# KiCad board netrazr_rev2.kicad_pcb (continued)
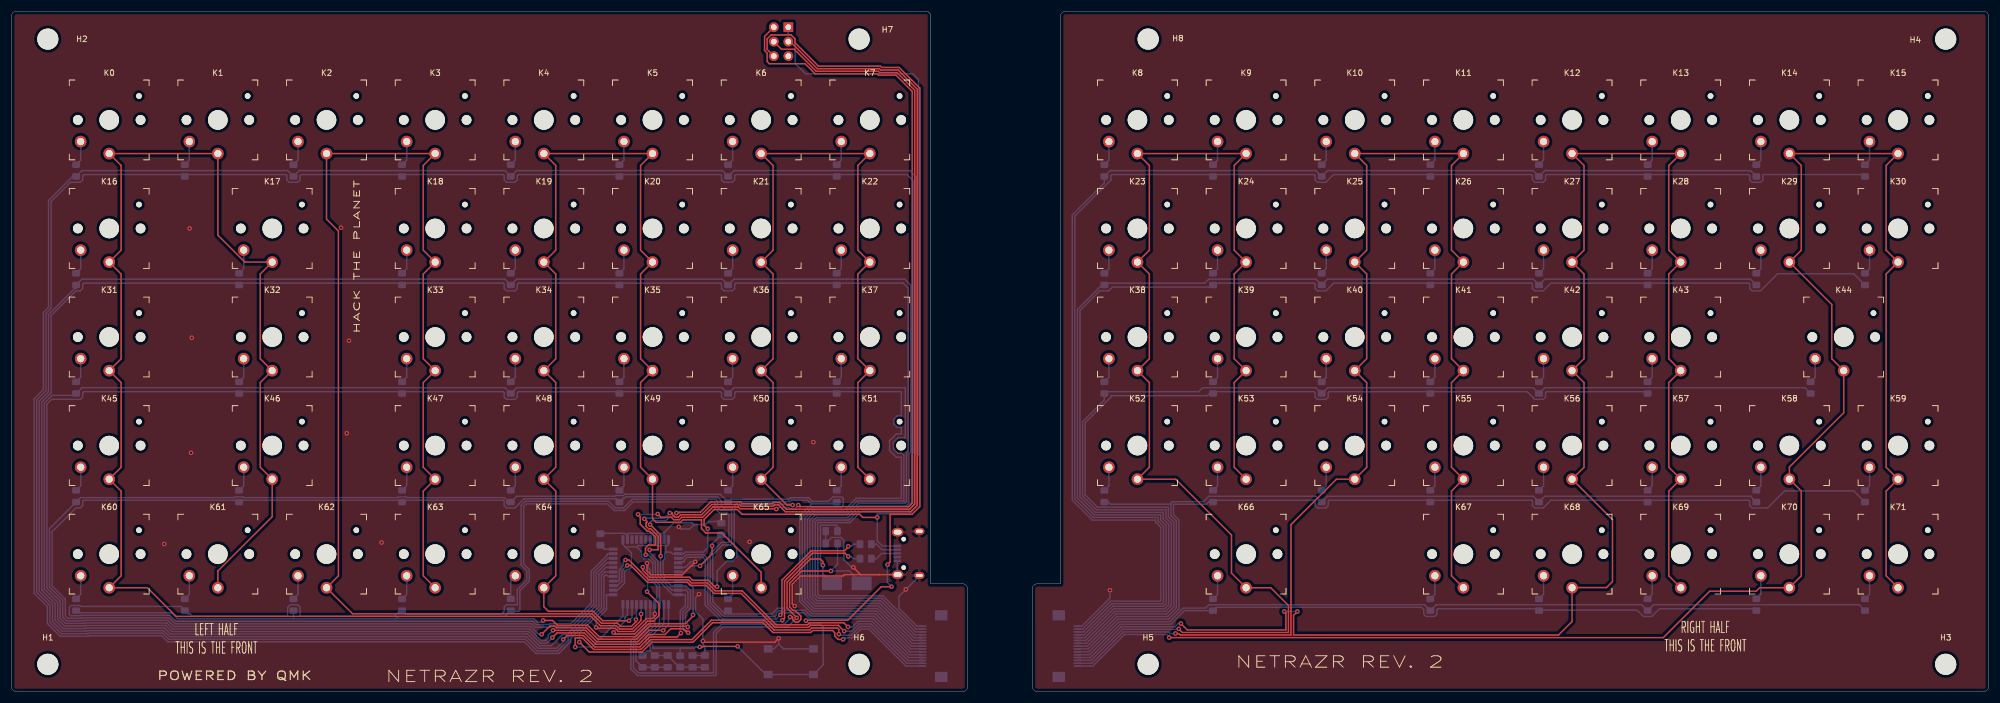
[diagram p0: board, top side]
## Routing (per net, layer and track width the routed paths; a pad name or vN(x,y) marks a point on that pad's centre or on a via; arc(x,y) is an arc through that point) (continued)
/Col_1: length 240.6
  Top w0.25: K63.1 72.21,20.32 72.21,35.19 K47.1 72.21,39.37 72.21,54.24 K33.1 72.21,58.42 72.21,73.29 K18.1 72.21,77.47 72.21,92.34 K3.1 K2.1 55.25,82.92 57.33,80.83 57.33,20.32 K62.1 59.82,13.66 101.8,13.66 103.45,12 106.24,12 106.79,11.45 108.69,11.45 109.49,12.25 v1(109.49,12.64)
  Bottom w0.25: U1.19 109.61,12.75 v1(109.49,12.64)
/Col_2: length 220.7
  Top w0.25: v1(108.26,12.43) 106.45,12.43 106.43,12.45 103.64,12.45 101.98,14.11 94.14,14.11 93.35,14.9 K64.1 95.43,20.32 95.43,35.19 K48.1 95.43,39.37 95.43,54.24 K34.1 95.43,58.42 95.43,73.29 K19.1 95.43,77.47 95.43,92.34 K4.1 K5.1 110.31,92.34 110.31,77.47 K20.1 110.31,73.29 110.31,58.42 K35.1 110.31,54.24 110.31,39.37 K49.1 112.39,30.35 113.03,29.72 117.28,29.72 117.7,30.14 120.99,30.14 120.99,28.61 121.75,27.85 124.54,27.85 131.44,20.95 K65.1
  Bottom w0.25: U1.20 108.8,12.98 v1(108.26,12.43)
/Col_3: length 217.5
  Top w0.25: v1(105.57,10.38) 105.85,10.1 109.25,10.1 111.53,12.38 112.56,12.38 113.53,13.35 113.53,15.45 v1(111.44,17.53) ; v1(136.95,32.74) 135.98,32.74 K50.1 133.53,39.37 133.53,54.24 K36.1 133.53,58.42 133.53,73.29 K21.1 133.53,77.47 133.53,92.34 K6.1 K7.1 148.41,92.34 148.41,77.47 K22.1 148.41,73.29 148.41,58.42 K37.1 148.41,54.24 148.41,39.37 K51.1 ; v1(123.73,18.4) 123.33,18.4 122.2,19.53 119.41,19.53 118.88,20.07 111.92,20.07 110.71,21.29 v1(110.71,21.85)
  Bottom w0.25: v1(105.57,10.38) 107.54,12.35 107.54,12.97 108.01,13.44 U1.21 ; v1(110.71,21.85) 111.54,21.01 111.54,17.64 v1(111.44,17.53) ; v1(123.73,18.4) 123.73,21.19 125.44,22.9 126.45,22.9 127.17,23.62 127.17,25.08 126.7,25.54 126.7,31.92 127.67,32.89 136.81,32.89 v1(136.95,32.74)
/Col_4: length 292.8
  Top w0.25: v1(107.97,22.15) 108.57,22.15 111.55,19.17 118.5,19.17 119.04,18.63 121.83,18.63 123.23,17.23 127.93,17.23 133.88,11.28 139.77,11.28 140.12,11.62 144.99,11.62 v1(146,10.61) ; v1(204.66,11.02) 205.3,10.38 223.89,10.38 223.89,15.12 220.78,18.23 K66.1 213.9,20.79 213.9,27.49 204.11,37.28 K52.1 199.5,39.37 199.5,54.24 K38.1 199.5,58.42 199.5,73.29 K23.1 199.5,77.47 199.5,92.34 K8.1 K9.1 214.38,92.34 214.38,77.47 K24.1 214.38,73.29 214.38,58.42 K39.1 214.38,54.24 214.38,39.37 K53.1
  Bottom w0.25: FFC2.3 189.32,5.48 192.9,9.06 192.9,9.08 194.75,10.93 204.57,10.93 v1(204.66,11.02) ; 159.93,5.46 157.14,5.46 150.72,11.88 148.58,11.88 147.31,10.61 v1(146,10.61) ; U1.25 106.24,18.6 107.03,19.39 107.03,21.21 v1(107.97,22.15)
/Col_5: length 321.6
  Top w0.25: v1(98.84,7.84) 98.84,9.4 100.08,9.4 102.09,7.4 110.37,7.4 112.09,9.13 119.32,9.13 122.73,12.54 131.98,12.54 133.69,10.83 139.96,10.83 140.31,11.18 144.8,11.18 145.06,10.91 v1(145.06,10.08) ; v1(204.09,10.2) 204.19,10.1 204.77,10.1 204.94,9.93 224.34,9.93 224.34,29.31 232.31,37.28 K54.1 237.6,39.37 237.6,54.24 K40.1 237.6,58.42 237.6,73.29 K25.1 237.6,77.47 237.6,92.34 K10.1 K11.1 252.48,92.34 252.48,77.47 K26.1 252.48,73.29 252.48,58.42 K41.1 252.48,54.24 252.48,39.37 K55.1 252.48,35.19 252.48,20.32 K67.1
  Bottom w0.25: v1(98.84,7.84) 98.84,7.84 101.77,7.84 107.2,13.28 U1.22 ; FFC1.14 156.98,4.98 150.53,11.43 148.77,11.43 147.23,9.88 145.25,9.88 v1(145.06,10.08) ; FFC2.2 189.45,4.98 193.35,8.88 193.35,8.89 194.94,10.47 202.81,10.47 203.09,10.2 v1(204.09,10.2)
/Col_6: length 363.7
  Top w0.25: v1(223.16,14.06) 223.44,13.79 223.44,10.83 206.15,10.83 v1(205.03,11.95) ; v1(225.45,14.06) 224.79,13.4 224.79,9.93 271.23,9.93 273.62,12.31 K68.1 273.64,18.25 279.64,18.25 280.7,19.31 280.7,30.19 K56.1 275.7,39.37 275.7,54.24 K42.1 275.7,58.42 275.7,73.29 K27.1 275.7,77.47 275.7,92.34 K12.1 K13.1 290.58,92.34 290.58,77.47 K28.1 290.58,73.29 290.58,58.42 K43.1 290.58,54.24 290.58,39.37 K57.1 290.58,35.19 290.58,20.32 K69.1 ; v1(146.67,11.35) 145.95,12.07 139.94,12.07 139.59,11.73 134.07,11.73 128.11,17.68 123.41,17.68 122.01,19.08 119.23,19.08 118.69,19.62 111.74,19.62 108.26,23.1 v1(107.67,23.1)
  Bottom w0.25: FFC2.4 189.18,5.98 192.45,9.25 192.45,9.26 194.56,11.38 203.99,11.38 204.57,11.95 v1(205.03,11.95) ; FFC1.12 157.25,5.98 150.9,12.33 148.4,12.33 147.42,11.35 v1(146.67,11.35) ; v1(107.67,23.1) 107.24,22.68 107.24,22.06 106.58,21.4 106.58,19.58 106.4,19.4 U1.26 ; v1(223.16,14.06) v1(225.45,14.06)
/Col_7: length 402.5
  Top w0.25: v1(145.82,9.16) 144.95,9.16 144.34,9.78 144.34,10.34 143.95,10.72 140.5,10.72 140.15,10.38 133.51,10.38 131.79,12.09 122.92,12.09 119.5,8.68 112.28,8.68 110.55,6.95 101.29,6.95 v1(99.56,8.68) ; K71.1 328.68,20.32 328.68,35.19 K59.1 328.68,39.37 328.68,73.29 K30.1 328.68,77.47 328.68,92.34 K15.1 K14.1 313.8,92.34 313.8,77.47 K29.1 319.15,67.94 319.15,58.42 K44.1 321.24,48.94 311.71,39.41 K58.1 313.8,35.19 313.8,20.32 K70.1 306.51,18.23 305.9,17.62 297.74,17.62 289.6,9.48 202.99,9.48 v1(202.98,9.48)
  Bottom w0.25: v1(145.82,9.16) 146.09,9.43 147.41,9.43 148.96,10.98 150.35,10.98 156.85,4.48 FFC1.15 ; v1(99.56,8.68) 99.6,8.71 99.6,10.27 103.89,14.56 103.89,20.2 104.1,20.41 104.43,20.41 104.64,20.2 U1.27 ; FFC2.1 189.59,4.48 195.12,10.01 195.12,10.03 202.63,10.03 202.98,9.67 v1(202.98,9.48)
/Reset: length 200.3
  Top w0.25: v1(120.68,7.84) 121.19,7.84 121.29,7.94 v1(127.32,7.94) ; v1(154.31,18.41) 152.52,18.41 146.63,12.53 139.36,12.53 v1(139.29,12.45) ; v1(153.61,22.28) 154.05,22.72 154.05,31.11 157.89,31.11 159.27,32.49 159.27,105.91 155.64,109.54 152.57,109.54 152.34,109.77 141.48,109.77 137.38,113.87 137.38,114.56 136.7,115.25 133.18,115.25 132.5,114.56 132.5,112.7 J2.6
  Bottom w0.25: 119.56,7.62 119.74,7.62 ; 119.56,7.62 112.52,7.62 112.42,7.72 112.42,8.21 111.71,8.91 111.71,9.49 112.15,9.93 112.36,9.93 114.41,11.97 U1.13 ; 119.56,7.62 117.41,7.62 117.25,7.46 R1.1 ; v1(139.29,12.45) 139.88,11.86 141.8,11.86 142.31,11.35 142.31,4.67 140.64,3 SWe.2 SWe.2 132.27,3 v1(127.32,7.94) ; 119.77,7.62 119.99,7.84 v1(120.68,7.84) ; v1(153.61,22.28) 153.56,22.23 153.56,19.16 v1(154.31,18.41)
/Row_0: length 404
  Top w0.25: v1(119.51,13.46) 119.51,13.27 118.16,11.93 111.71,11.93 109.44,9.65 103.02,9.65 101.02,11.65 95.72,11.65 94.88,12.48 v1(93.22,12.48)
  Bottom w0.25: 49.45,12.79 D62.1 ; 49.45,12.79 29.11,12.79 28.05,13.85 11.71,13.85 D60.1 ; 49.45,12.79 50.87,12.79 ; FFC2.5 189.05,6.48 192,9.43 192,9.45 194.38,11.82 203.28,11.82 205.67,14.22 D66.1 211.24,14.79 247.2,14.79 247.62,14.38 247.62,13.6 248.03,13.19 249.5,13.19 249.91,13.6 249.91,14.38 250.08,14.54 267.49,14.54 D68.1 267.9,14.3 285.02,14.3 286.13,13.19 287.6,13.19 288.95,14.54 305.59,14.54 D70.1 ; U1.8 118.41,19.4 119.51,18.3 v1(119.51,13.46) ; 50.87,12.79 91.6,12.79 92.19,12.21 92.95,12.21 v1(93.22,12.48) ; 50.87,12.79 67.36,12.79 67.76,13.19 86.52,13.19 D64.1 87.63,14.13 88.98,14.13 89.14,14.29 89.14,17.72 90.8,19.37 90.8,21.39 89.81,22.38 89.81,32.49 90.26,32.94 104.52,32.94 105.67,31.79 107.52,31.79 109.02,33.28 123.35,33.28 123.35,32.17 124.18,31.34 125.45,31.34 125.8,30.99 125.8,26.18 124.48,26.18 122.52,24.22 122.52,15.58 124.91,13.19 133.9,13.19 134.09,13.37 134.09,13.76 134.51,14.19 135.11,14.19 135.47,13.83 138.93,13.83 139.98,12.78 151.09,12.78 157.39,6.48 FFC1.11
/Row_1: length 652.2
  Top w0.25: v1(92.96,10.05) 94.38,11.48 95.26,11.48 95.53,11.2 100.83,11.2 102.83,9.2 109.62,9.2 111.9,11.48 118.44,11.48 v1(118.58,11.33) ; v1(111.98,29.31) 113.83,27.46 v1(113.83,23.79) ; v1(116.61,31.34) 116.99,31.34 117.14,31.49 120.81,31.49 122.62,33.3 127.82,33.3 128.13,32.99 133.4,32.99 133.62,33.22 134.67,33.22 135.88,32.01 157.46,32.01 158.37,32.92 158.37,105.54 155.27,108.64 152.2,108.64 151.97,108.87 141.11,108.87 137.24,112.74 135,112.74 J2.4
  Bottom w0.25: FFC2.8 188.64,7.98 190.65,9.99 190.65,10.01 193.82,13.18 202.72,13.18 204.24,14.7 204.24,29.91 203.29,30.87 203.29,32.89 ; v1(118.58,11.33) 118.57,11.34 118.57,11.86 118.17,12.25 118.17,13.81 119.05,14.69 119.05,17.76 118.22,18.6 U1.9 115.64,18.6 113.79,20.45 113.79,23.75 v1(113.83,23.79) ; 203.29,32.89 192.69,32.89 192.32,33.27 D52.1 ; 203.29,32.89 203.29,33.08 203.55,33.34 208.98,33.34 209.93,34.29 228.69,34.29 D54.1 230.74,34.29 266.79,34.29 D56.1 268.84,34.29 304.89,34.29 D58.1 ; v1(116.61,31.34) 115.88,30.62 115.35,30.62 114.72,29.99 112.24,29.99 111.98,29.74 v1(111.98,29.31) ; FFC1.8 157.8,7.98 151.65,14.13 140.54,14.13 138.66,16.01 138.66,30.64 140.38,32.37 145.56,32.37 145.85,32.65 145.85,33.88 145.56,34.16 144.01,34.16 143.23,33.39 140.43,33.39 139.78,34.04 136.59,34.04 136.34,33.79 126.17,33.79 D50.1 124.27,34.63 107.5,34.63 107.28,34.41 105.91,34.41 105.78,34.29 88.57,34.29 D48.1 87.26,32.98 86.84,32.98 86.84,33.61 86.42,34.04 69.31,34.04 69.18,34.16 67.81,34.16 67.68,34.04 40.73,34.04 40.61,34.16 39.23,34.16 39.11,34.04 12.12,34.04 D45.1 6.67,28.59 6.67,18.37 9.01,16.04 9.01,13.07 9.66,12.41 12.41,12.41 12.49,12.5 27.45,12.5 28.5,11.44 91.04,11.44 92.43,10.05 v1(92.96,10.05)
/Row_2: length 761.7
  Top w0.25: J2.3 136.55,114.07 141.29,109.32 152.15,109.32 152.39,109.09 155.45,109.09 158.82,105.72 158.82,32.68 157.7,31.56 135.69,31.56 134.48,32.77 133.81,32.77 133.58,32.54 127.95,32.54 127.64,32.85 122.8,32.85 120.99,31.04 117.33,31.04 116.91,30.62 116.3,30.62 115.88,31.04 115.88,31.34 v1(115.44,31.34) ; v1(94.83,9.47) 95.66,10.3 100.46,10.3 102.46,8.3 110,8.3 111.72,10.03 114.58,10.03 115.59,11.03 117.86,11.03 118.28,10.61 118.39,10.61 v1(118.66,10.34) ; v1(111.89,24.89) 113.38,24.89 113.38,27.28 112.07,28.58 111.68,28.58 111.26,29.01 111.26,29.61 111.47,29.82 v1(110.97,30.32)
  Bottom w0.25: v1(110.97,30.32) 111.09,30.44 114.54,30.44 v1(115.44,31.34) ; v1(111.89,24.89) 111.89,24.4 113.34,22.94 113.34,20.26 115.8,17.8 U1.10 118.3,17.8 118.61,17.49 118.61,14.87 117.73,13.99 117.73,10.95 118.32,10.35 118.64,10.35 v1(118.66,10.34) ; FFC1.6 158.07,8.98 152.02,15.03 140.91,15.03 139.56,16.39 139.56,30.27 140.76,31.47 146.29,31.47 148.29,33.47 156.44,33.47 156.46,33.5 156.46,41.48 156.11,41.83 155.44,41.83 154.64,42.62 154.64,43.74 155.44,44.53 156.55,44.53 156.71,44.69 156.71,53.34 126.67,53.34 D36.1 124.62,53.34 88.57,53.34 D34.1 86.52,53.34 12.37,53.34 D31.1 11.02,51.99 7.14,51.99 5.77,50.62 5.77,18 8.11,15.67 8.11,12.7 9.29,11.52 12.78,11.52 12.86,11.6 27.07,11.6 28.13,10.54 90.67,10.54 92.71,8.5 93.86,8.5 v1(94.83,9.47) ; D44.1 314.41,53.34 268.84,53.34 D42.1 266.79,53.34 230.74,53.34 D40.1 228.69,53.34 208.85,53.34 208.14,52.64 191.94,52.64 D38.1 191.62,51.19 187.79,47.37 187.79,34.34 190.22,31.91 202.39,31.91 202.39,30.49 203.34,29.54 203.34,15.07 202.34,14.07 193.44,14.07 188.35,8.98 FFC2.10
/Row_3: length 810.6
  Top w0.25: J2.2 132.05,114.98 132.05,112.52 132.5,112.07 132.5,110.58 132.87,110.2 139.14,110.2 140.92,108.42 151.78,108.42 152.01,108.19 155.08,108.19 157.92,105.35 157.92,33.1 157.28,32.46 138.23,32.46 v1(137.95,32.73) ; v1(96.76,9.15) 97.46,9.85 100.27,9.85 102.27,7.85 110.18,7.85 111.91,9.58 116.69,9.58 v1(117.38,10.27) ; v1(113.3,31.17) 113.85,30.62 115.67,30.62 116.12,30.17 117.09,30.17 117.52,30.59 121.18,30.59 122.99,32.4 127.45,32.4 127.76,32.09 134.06,32.09 v1(134.11,32.04) ; v1(111.2,24) 111.16,24.04 111.16,25.19 111.7,25.73 112.93,25.73 112.93,27.09 111.89,28.13 111.5,28.13 110.24,29.39 110.24,30.62 110.29,30.68 v1(109.86,31.12)
  Bottom w0.25: v1(96.76,9.15) 96.76,8.76 95.59,7.6 92.34,7.6 90.3,9.64 27.76,9.64 26.7,10.7 13.24,10.7 13.15,10.62 8.92,10.62 7.21,12.33 7.21,15.29 4.87,17.63 4.87,50.99 6.51,52.62 6.51,66.17 11.12,70.79 11.35,70.79 D16.1 12.37,72.39 86.52,72.39 D19.1 88.57,72.39 124.62,72.39 D21.1 126.67,72.39 156.62,72.39 157.67,71.34 157.67,42.05 157.37,41.74 157.37,33.12 156.81,32.57 148.66,32.57 146.66,30.56 141.13,30.56 140.46,29.89 140.46,16.76 141.29,15.93 152.4,15.93 158.37,9.96 159.62,9.96 ; D29.1 304.89,72.39 268.84,72.39 D27.1 266.79,72.39 230.74,72.39 D25.1 228.69,72.39 209.93,72.39 209.23,71.69 191.94,71.69 D23.1 191.19,71.36 186.89,67.07 186.89,33.97 189.85,31.02 201.49,31.02 201.49,30.12 202.44,29.17 202.44,15.44 201.97,14.97 193.07,14.97 188.08,9.98 FFC2.12 ; v1(111.2,24) 111.65,24 112.89,22.76 112.89,20.08 115.97,17 U1.11 118.16,17 118.16,15.06 117.27,14.18 117.27,10.76 117.38,10.66 v1(117.38,10.27) ; v1(134.11,32.04) 134.38,32.31 136.36,32.31 136.65,32.02 137.26,32.02 137.68,32.44 137.68,32.46 v1(137.95,32.73) ; v1(109.86,31.12) 109.89,31.08 113.21,31.08 v1(113.3,31.17)
/Row_4: length 677.1
  Bottom w0.25: 305.91,90.42 304.89,91.44 268.84,91.44 267.81,90.42 266.79,91.44 230.74,91.44 229.71,90.42 228.69,91.44 192.64,91.44 191.62,90.42 191.62,89.29 185.99,83.67 185.99,33.6 189.48,30.12 200.59,30.12 200.59,29.75 201.54,28.8 201.54,16.02 201.4,15.88 192.7,15.88 187.8,10.98 FFC2.14 ; 159.8,11 158.59,11 152.77,16.83 141.66,16.83 141.36,17.13 141.36,29.52 141.5,29.66 147.03,29.66 149.04,31.67 157.18,31.67 158.26,32.75 158.26,41.37 158.57,41.67 158.57,90.38 157.51,91.44 126.67,91.44 125.64,90.42 124.62,91.44 88.57,91.44 87.55,90.42 86.52,91.44 50.47,91.44 49.45,90.42 48.42,91.44 12.37,91.44 11.35,90.42 10.73,90.42 6.51,86.19 6.51,67.44 5.61,66.54 5.61,53 3.97,51.36 3.97,17.26 6.31,14.92 6.31,11.96 8.55,9.72 13.52,9.72 13.61,9.8 26.33,9.8 27.39,8.74 89.93,8.74 91.97,6.7 95.97,6.7 98.05,8.79 98.05,9.36 103.44,14.75 103.44,20.39 104.05,21 U1.28
/Row_5: length 704
  Bottom w0.25: U1.29 104.21,21.8 102.99,20.57 102.99,14.93 97.6,9.55 97.6,8.97 95.78,7.15 92.15,7.15 90.11,9.19 27.57,9.19 26.51,10.25 13.42,10.25 13.34,10.16 8.73,10.16 6.76,12.14 6.76,15.11 4.42,17.44 4.42,51.17 6.05,52.81 6.05,66.36 6.96,67.26 6.96,86 10.35,89.39 12.08,89.39 12.5,89.8 12.5,90.58 12.66,90.74 30.07,90.74 30.39,90.42 30.72,90.74 48.13,90.74 48.3,90.58 48.3,89.8 48.71,89.39 50.18,89.39 50.59,89.8 50.59,90.58 50.76,90.74 68.17,90.74 68.5,90.42 68.82,90.74 86.23,90.74 86.39,90.58 86.39,89.8 86.81,89.39 88.28,89.39 88.7,89.8 88.7,90.58 88.86,90.74 106.27,90.74 106.6,90.42 106.92,90.74 124.33,90.74 124.49,90.58 124.49,89.8 124.91,89.39 126.38,89.39 126.8,89.8 126.8,90.58 126.96,90.74 144.37,90.74 144.69,90.42 145.02,90.74 157,90.74 158.12,89.62 158.12,41.86 157.81,41.55 157.81,32.94 157,32.12 148.85,32.12 146.85,30.12 141.31,30.12 140.91,29.71 140.91,16.95 141.47,16.38 152.58,16.38 158.48,10.48 FFC1.3 ; FFC2.13 187.94,10.48 192.88,15.43 201.79,15.43 201.99,15.63 201.99,28.98 201.04,29.93 201.04,30.56 189.66,30.56 186.44,33.79 186.44,83.48 192.76,89.8 192.76,90.58 192.93,90.74 210.34,90.74 210.67,90.42 210.99,90.74 228.4,90.74 228.56,90.58 228.56,89.8 228.98,89.39 230.45,89.39 231.8,90.74 248.44,90.74 248.76,90.42 249.09,90.74 266.5,90.74 266.66,90.58 266.66,89.8 267.08,89.39 268.55,89.39 268.96,89.8 268.96,90.58 269.13,90.74 286.54,90.74 286.87,90.42 287.19,90.74 304.6,90.74 304.76,90.58 304.76,89.8 305.18,89.39 306.65,89.39 307.06,89.8 307.06,90.75 324.63,90.75 324.96,90.42
  Bottom w0.5: 210.58,90.5 210.67,90.42
/Row_6: length 644.7
  Bottom w0.25: 159.73,9.46 158.23,9.46 152.21,15.48 141.1,15.48 140.01,16.57 140.01,30.08 140.94,31.02 146.47,31.02 148.48,33.02 156.62,33.02 156.92,33.31 156.92,41.93 157.22,42.23 157.22,70.84 156.37,71.69 145.02,71.69 D22.1 144.37,71.69 126.96,71.69 126.8,71.53 126.8,70.75 126.38,70.34 124.91,70.34 124.49,70.75 124.49,71.53 124.33,71.69 106.92,71.69 D20.1 106.27,71.69 88.86,71.69 88.7,71.53 88.7,70.75 88.28,70.34 86.81,70.34 86.39,70.75 86.39,71.53 86.23,71.69 68.82,71.69 D18.1 68.17,71.69 40.25,71.69 D17.1 39.59,71.69 12.66,71.69 12.5,71.53 12.5,70.75 12.08,70.34 11.31,70.34 6.96,65.99 6.96,52.44 5.32,50.8 5.32,17.82 7.66,15.48 7.66,12.51 9.1,11.06 12.97,11.06 13.05,11.15 26.89,11.15 27.95,10.09 90.48,10.09 92.52,8.05 94.63,8.05 96.58,10 97.42,10 102.54,15.12 102.54,20.76 104.38,22.6 U1.30 ; FFC2.11 188.21,9.48 193.26,14.53 202.16,14.53 202.89,15.26 202.89,29.35 201.94,30.31 201.94,31.47 190.04,31.47 187.34,34.16 187.34,66.88 190.8,70.34 192.35,70.34 193,70.99 210.29,70.99 D24.1 210.99,71.69 228.4,71.69 228.56,71.53 228.56,70.75 228.98,70.34 230.45,70.34 231.8,71.69 248.44,71.69 D26.1 249.09,71.69 266.5,71.69 266.66,71.53 266.66,70.75 267.08,70.34 268.55,70.34 269.9,71.69 286.54,71.69 D28.1 287.19,71.69 304.6,71.69 304.76,71.53 304.76,70.75 305.18,70.34 306.65,70.34 309.64,73.33 323,73.33 D30.1
/Row_7: length 560.1
  Top w0.25: v1(114.28,10.75) 111.81,10.75 109.81,8.75 102.65,8.75 100.64,10.75 v1(94.95,10.75)
  Bottom w0.25: 210.34,52.64 209.64,51.94 192.76,51.94 192.76,51.7 188.24,47.18 188.24,34.53 190.41,32.37 202.84,32.37 202.84,30.68 203.79,29.73 203.79,14.88 202.53,13.62 193.63,13.62 190.2,10.19 190.2,10.18 188.5,8.48 FFC2.9 ; D39.1 210.99,52.64 228.4,52.64 228.56,52.48 228.56,51.7 228.98,51.29 230.45,51.29 230.87,51.7 230.87,52.48 231.03,52.64 248.44,52.64 D41.1 249.09,52.64 265.73,52.64 267.08,51.29 268.55,51.29 268.96,51.7 268.96,52.48 269.13,52.64 286.54,52.64 D43.1 ; 159.73,8.46 157.96,8.46 151.84,14.58 140.73,14.58 139.11,16.2 139.11,30.45 140.57,31.91 146.1,31.91 148.1,33.92 156.01,33.92 156.01,41.13 155.15,41.13 153.94,42.33 153.94,44.03 155.15,45.23 156.01,45.23 156.01,46.38 155.3,46.38 154.72,46.97 154.72,47.79 155.3,48.38 156.01,48.38 156.01,52.64 145.02,52.64 D37.1 144.37,52.64 126.96,52.64 126.8,52.48 126.8,51.7 126.38,51.29 124.91,51.29 124.49,51.7 124.49,52.48 124.33,52.64 106.92,52.64 D35.1 106.27,52.64 88.86,52.64 88.7,52.48 88.7,51.7 88.28,51.29 86.81,51.29 86.39,51.7 86.39,52.48 86.23,52.64 68.82,52.64 D33.1 68.17,52.64 40.25,52.64 D32.1 39.59,52.64 12.66,52.64 12.5,52.48 12.5,51.7 12.08,51.29 7.08,51.29 6.22,50.43 6.22,18.19 8.56,15.85 8.56,12.89 9.48,11.97 12.59,11.97 12.68,12.05 27.26,12.05 28.32,10.99 90.86,10.99 92.9,8.95 93.67,8.95 94.11,9.39 94.11,9.9 v1(94.95,10.75) ; U1.12 115.2,11.67 v1(114.28,10.75)
/Row_8: length 478.5
  Bottom w0.25: D51.1 144.37,32.94 140.26,32.94 140.25,32.93 139.6,33.59 ; FFC2.7 188.77,7.48 191.1,9.81 191.1,9.82 194,12.72 202.9,12.72 204.69,14.51 204.69,30.1 203.74,31.05 203.74,32.89 209.51,32.89 209.89,33.27 D53.1 210.99,33.59 228.4,33.59 228.56,33.43 228.56,32.65 228.98,32.24 230.45,32.24 230.87,32.65 230.87,33.43 231.03,33.59 248.44,33.59 D55.1 249.09,33.59 266.5,33.59 266.66,33.43 266.66,32.65 267.08,32.24 268.55,32.24 269.9,33.59 286.54,33.59 D57.1 287.19,33.59 304.6,33.59 304.76,33.43 304.76,32.65 305.18,32.24 307.9,32.24 310.89,35.23 323,35.23 D59.1 ; FFC1.9 157.66,7.48 151.46,13.68 140.35,13.68 138.21,15.83 138.21,30.82 140.28,32.9 139.6,33.59 ; 139.6,33.59 136.78,33.59 136.53,33.34 127.48,33.34 126.38,32.24 124.91,32.24 124.49,32.65 124.49,33.43 123.74,34.19 107.69,34.19 107.47,33.97 107.3,33.97 D49.1 106.02,33.84 89.88,33.84 88.28,32.24 86.81,32.24 86.39,32.65 86.39,33.43 86.23,33.59 68.82,33.59 D47.1 68.17,33.59 40.25,33.59 D46.1 39.59,33.59 12.66,33.59 12.5,33.43 12.5,32.65 12.08,32.24 11.31,32.24 7.12,28.05 7.12,18.56 9.46,16.23 9.46,13.26 9.85,12.87 12.22,12.87 12.3,12.95 27.63,12.95 28.69,11.89 91.23,11.89 91.81,11.31 94.49,11.31 94.65,11.48 98.26,11.48 102.09,15.31 102.09,20.95 104.54,23.4 U1.31
/Row_9: length 453
  Bottom w0.25: D71.1 323.94,15.24 287.89,15.24 D69.1 285.84,15.24 249.79,15.24 D67.1 247.74,15.24 209.93,15.24 209.35,14.66 205.48,14.66 203.09,12.28 194.19,12.28 191.55,9.64 191.55,9.62 188.91,6.98 FFC2.6 ; 159.62,6.96 157.55,6.96 151.28,13.23 140.17,13.23 139.12,14.28 135.66,14.28 135.3,14.64 134.33,14.64 133.33,13.64 125.8,13.64 125.64,13.79 D65.1 125.64,13.64 125.09,13.64 122.97,15.77 122.97,24.03 124.67,25.73 126.14,25.73 126.26,25.85 126.26,31.79 124.37,31.79 123.8,32.36 123.8,33.49 123.55,33.74 108.83,33.74 107.33,32.24 105.86,32.24 104.71,33.39 90.07,33.39 89.36,32.67 89.36,22.2 90.35,21.21 90.35,19.55 88.7,17.9 88.7,15.24 86.81,15.24 86.39,14.83 86.39,14.05 85.98,13.64 69.07,13.64 D63.1 68.14,14.22 67.17,13.24 50.59,13.24 50.59,14.83 50.18,15.24 48.88,15.24 48.42,14.78 48.42,13.24 31.72,13.24 31.32,13.64 30.97,13.64 D61.1 30.39,14.34 29.78,14.95 12.2,14.95 12.03,15.12 10.48,15.12 10.16,14.79 10.16,13.55 10.39,13.31 12.03,13.31 12.12,13.4 27.82,13.4 28.88,12.34 91.42,12.34 92,11.76 94.3,11.76 94.47,11.93 98.07,11.93 101.64,15.49 101.64,21.13 104.43,23.93 104.43,24 104.63,24.2 U1.32
Net-(C6-Pad1): length 81.1
  Top w0.25: v1(137.69,12.95) 137.69,12.97 135.99,14.67 135.99,19.21 140.04,23.26 141.83,23.26 142.27,22.82 v1(142.27,22.19)
  Bottom w0.25: U1.17 111.2,11.57 108.6,8.97 108.6,3.98 109.77,2.82 123.41,2.82 123.54,2.95 123.54,10.19 124.7,11.35 136.08,11.35 v1(137.69,12.95) ; C6.1 144.83,29.03 144.64,29.22 141.93,29.22 141.84,29.13 141.84,22.62 v1(142.27,22.19) 142.27,20.6 Y1.1
Net-(C7-Pad1): length 78.4
  Top w0.25: v1(136.51,13.11) 136.92,13.11 136.96,13.06 136.96,12.65 137.39,12.23 137.99,12.23 138.41,12.65 138.41,13.25 137.45,14.21 137.08,14.21 136.44,14.86 136.44,19.02 138.59,21.17 v1(143.67,21.17)
  Bottom w0.25: v1(136.51,13.11) 136.51,12.85 135.46,11.8 124.52,11.8 123.09,10.38 123.09,3.27 109.95,3.27 109.05,4.17 109.05,8.78 112.01,11.74 U1.16 ; C7.1 144.83,22.34 v1(143.67,21.17) 146.9,21.17 Y1.2
Net-(C8-Pad1): length 11.3
  Top w0.25: v1(120.73,22.06) 122.84,24.17 v1(122.84,25.59)
  Bottom w0.25: v1(122.84,25.59) 122.84,25.9 C8.1 ; U1.6 117.97,21 119.03,22.06 v1(120.73,22.06)
Net-(D0-Pad2): length 4.4
  Bottom w0.25: D0.2 12.15,93.27 K0.2
Net-(D1-Pad2): length 4.4
  Bottom w0.25: D1.2 31.2,93.27 K1.2
Net-(D2-Pad2): length 4.4
  Bottom w0.25: D2.2 50.25,93.27 K2.2
Net-(D3-Pad2): length 4.4
  Bottom w0.25: D3.2 69.3,93.27 K3.2
Net-(D4-Pad2): length 4.4
  Bottom w0.25: D4.2 88.34,93.27 88.34,96.53
Net-(D5-Pad2): length 4.4
  Bottom w0.25: D5.2 107.39,93.27 K5.2
Net-(D6-Pad2): length 4.4
  Bottom w0.25: K6.2 126.45,93.27 D6.2
Net-(D7-Pad2): length 4.4
  Bottom w0.25: K7.2 145.5,93.27 D7.2
Net-(D8-Pad2): length 4.4
  Bottom w0.25: D8.2 192.42,93.27 K8.2
Net-(D9-Pad2): length 4.4
  Bottom w0.25: K9.2 211.46,93.27 D9.2
Net-(D10-Pad2): length 4.4
  Bottom w0.25: D10.2 230.51,93.27 K10.2
Net-(D11-Pad2): length 4.4
  Bottom w0.25: D11.2 249.56,93.27 K11.2
Net-(D12-Pad2): length 4.4
  Bottom w0.25: D12.2 268.62,93.27 K12.2
Net-(D13-Pad2): length 4.4
  Bottom w0.25: D13.2 287.66,93.27 K13.2
Net-(D14-Pad2): length 4.4
  Bottom w0.25: D14.2 306.71,93.27 K14.2
Net-(D15-Pad2): length 4.4
  Bottom w0.25: D15.2 325.76,93.27 K15.2
Net-(D16-Pad2): length 4.4
  Bottom w0.25: D16.2 12.15,74.22 K16.2
Net-(D17-Pad2): length 4.4
  Bottom w0.25: K17.2 40.72,74.22 D17.2
Net-(D18-Pad2): length 4.4
  Bottom w0.25: K18.2 69.3,74.22 D18.2
Net-(D19-Pad2): length 4.4
  Bottom w0.25: D19.2 88.34,74.22 88.34,77.48
Net-(D20-Pad2): length 4.4
  Bottom w0.25: K20.2 107.39,74.22 D20.2
Net-(D21-Pad2): length 4.4
  Bottom w0.25: D21.2 126.45,74.22 K21.2
Net-(D22-Pad2): length 4.4
  Bottom w0.25: K22.2 145.5,74.22 D22.2
Net-(D23-Pad2): length 4.4
  Bottom w0.25: D23.2 192.42,74.22 K23.2
Net-(D24-Pad2): length 4.4
  Bottom w0.25: K24.2 211.46,74.22 D24.2
Net-(D25-Pad2): length 4.4
  Bottom w0.25: K25.2 230.51,74.22 D25.2
Net-(D26-Pad2): length 4.4
  Bottom w0.25: D26.2 249.56,74.22 K26.2
Net-(D27-Pad2): length 4.4
  Bottom w0.25: D27.2 268.62,74.22 K27.2
Net-(D28-Pad2): length 4.4
  Bottom w0.25: K28.2 287.66,74.22 D28.2
Net-(D29-Pad2): length 4.4
  Bottom w0.25: K29.2 306.71,74.22 D29.2
Net-(D30-Pad2): length 4.4
  Bottom w0.25: K30.2 325.76,74.22 D30.2
Net-(D31-Pad2): length 4.4
  Bottom w0.25: 11.35,54.36 12.15,55.17 K31.2
Net-(D32-Pad2): length 4.4
  Bottom w0.25: K32.2 40.72,55.17 39.92,54.36
Net-(D33-Pad2): length 4.4
  Bottom w0.25: K33.2 69.3,55.17 68.5,54.36
Net-(D34-Pad2): length 4.4
  Bottom w0.25: 88.34,58.43 88.34,55.17 87.55,54.36
Net-(D35-Pad2): length 4.4
  Bottom w0.25: K35.2 107.39,55.17 106.6,54.36
Net-(D36-Pad2): length 4.4
  Bottom w0.25: K36.2 126.45,55.17 125.64,54.36
Net-(D37-Pad2): length 4.4
  Bottom w0.25: K37.2 145.5,55.17 144.69,54.36
Net-(D38-Pad2): length 4.4
  Bottom w0.25: 191.62,54.36 192.42,55.17 K38.2
Net-(D39-Pad2): length 4.4
  Bottom w0.25: 210.67,54.36 211.46,55.17 K39.2
Net-(D40-Pad2): length 4.4
  Bottom w0.25: 229.71,54.36 230.51,55.17 K40.2
Net-(D41-Pad2): length 4.4
  Bottom w0.25: 248.76,54.36 249.56,55.17 K41.2
Net-(D42-Pad2): length 4.4
  Bottom w0.25: 267.81,54.36 268.62,55.17 K42.2
Net-(D43-Pad2): length 4.4
  Bottom w0.25: K43.2 287.66,55.17 286.87,54.36
Net-(D44-Pad2): length 4.4
  Bottom w0.25: 315.44,54.36 316.24,55.17 K44.2
Net-(D45-Pad2): length 4.4
  Bottom w0.25: D45.2 12.15,36.12 K45.2
Net-(D46-Pad2): length 4.4
  Bottom w0.25: D46.2 40.72,36.12 K46.2
Net-(D47-Pad2): length 4.4
  Bottom w0.25: D47.2 69.3,36.12 K47.2
Net-(D48-Pad2): length 4.4
  Bottom w0.25: 88.34,39.38 88.34,36.12 D48.2
Net-(D49-Pad2): length 4.4
  Bottom w0.25: D49.2 107.39,36.12 K49.2
Net-(D50-Pad2): length 4.4
  Bottom w0.25: K50.2 126.45,36.12 D50.2
Net-(D51-Pad2): length 4.4
  Bottom w0.25: D51.2 145.5,36.12 K51.2
Net-(D52-Pad2): length 4.4
  Bottom w0.25: D52.2 192.42,36.12 K52.2
Net-(D53-Pad2): length 4.4
  Bottom w0.25: D53.2 211.46,36.12 K53.2
Net-(D54-Pad2): length 4.4
  Bottom w0.25: K54.2 230.51,36.12 D54.2
Net-(D55-Pad2): length 4.4
  Bottom w0.25: D55.2 249.56,36.12 K55.2
Net-(D56-Pad2): length 4.4
  Bottom w0.25: K56.2 268.62,36.12 D56.2
Net-(D57-Pad2): length 4.4
  Bottom w0.25: D57.2 287.66,36.12 K57.2
Net-(D58-Pad2): length 4.4
  Bottom w0.25: K58.2 306.71,36.12 D58.2
Net-(D59-Pad2): length 4.4
  Bottom w0.25: K59.2 325.76,36.12 D59.2
Net-(D60-Pad2): length 4.4
  Bottom w0.25: K60.2 12.15,17.06 D60.2
Net-(D61-Pad2): length 4.4
  Bottom w0.25: D61.2 31.2,17.06 K61.2
Net-(D62-Pad2): length 4.4
  Bottom w0.25: K62.2 50.25,17.06 D62.2
Net-(D63-Pad2): length 4.4
  Bottom w0.25: D63.2 69.3,17.06 K63.2
Net-(D64-Pad2): length 4.4
  Bottom w0.25: D64.2 87.55,19.53 88.34,20.33
Net-(D65-Pad2): length 4.4
  Bottom w0.25: D65.2 126.45,17.06 K65.2
Net-(D66-Pad2): length 4.4
  Bottom w0.25: K66.2 211.46,17.06 D66.2
Net-(D67-Pad2): length 4.4
  Bottom w0.25: D67.2 249.56,17.06 K67.2
Net-(D68-Pad2): length 4.4
  Bottom w0.25: K68.2 268.62,17.06 D68.2
Net-(D69-Pad2): length 4.4
  Bottom w0.25: D69.2 287.66,17.06 K69.2
Net-(D70-Pad2): length 4.4
  Bottom w0.25: D70.2 306.71,17.06 K70.2
Net-(D71-Pad2): length 4.4
  Bottom w0.25: K71.2 325.76,17.06 D71.2
Net-(J1-Pad2): length 5
  Bottom w0.25: R3.2 151.67,25.87 152.63,24.91 J1.2
Net-(J1-Pad3): length 4.9
  Bottom w0.25: J1.3 152.59,24.26 151.67,23.33 R2.2
Net-(R2-Pad1): length 50.9
  Top w0.25: v1(146.71,23.71) 146.14,24.28 146.14,24.28 140.42,24.28 135.54,19.4 135.54,12.9 v1(135.16,12.53)
  Bottom w0.25: U1.4 117.11,22.8 117.98,22.8 117.98,23.08 118.49,23.59 121.18,23.59 121.62,23.16 121.62,15.21 124.53,12.29 134.93,12.29 v1(135.16,12.53) ; v1(146.71,23.71) 147.22,23.71 147.6,23.33 R2.1
Net-(R3-Pad1): length 50.4
  Top w0.25: v1(146.71,25.49) 146.71,25.36 146.08,24.73 140.24,24.73 135.09,19.58 135.09,13.74 v1(134.81,13.46)
  Bottom w0.25: R3.1 147.6,25.87 147.22,25.49 v1(146.71,25.49) ; v1(134.81,13.46) 134.09,12.74 124.72,12.74 122.07,15.39 122.07,23.34 121.37,24.04 118.31,24.04 117.67,23.4 U1.3
Net-(R4-Pad2): length 2.5
  Bottom w0.25: U1.33 103.93,25 103.26,25.68

## Copper pours and planes (outline as drawn; the poured copper is in the pictures)
GND on Top: 346.64,0 179,0 179,119.38 346.64,119.38
GND on Top: 157.6,33.18 138.4,33.18 138.4,98.78 157.6,98.78
GND on Top: 167.64,0 0,0 0,119.38 167.64,119.38
GND on Bottom: 158.75,52.58 6.1,52.58 6.1,80.14 158.75,80.14
GND on Bottom: 167.64,0 0,0 0,119.38 167.64,119.38
GND on Bottom: 159.38,29.72 6.1,29.72 6.1,91.06 6.35,91.31 159.38,91.31
GND on Bottom: 346.64,0 179,0 179,119.38 346.64,119.38

## Text on the board
B.Silkscreen: Built by Mantacid and Overs33r | JLCJLCJLCJLC
F.Silkscreen: LEFT HALF / THIS IS THE FRONT | RIGHT HALF / THIS IS THE FRONT | HACK THE PLANET | POWERED BY QMK | NETRAZR REV. 2
